# Altium PCB MU_MP_39_V1.PcbDoc (part 2 of 15)
Units mm, origin at the board's own origin, x right, y up, seen from the top; angles counter-clockwise.
Board outline 133 x 94 mm, 8 copper layers (Top Layer, GND_1, POWER_1, POWER_2, GND_2, Inner_Layer, GND_3, Bottom Layer), stack 1.468 mm thick; 934 components, 729 nets, 4006 pads, 2645 vias.
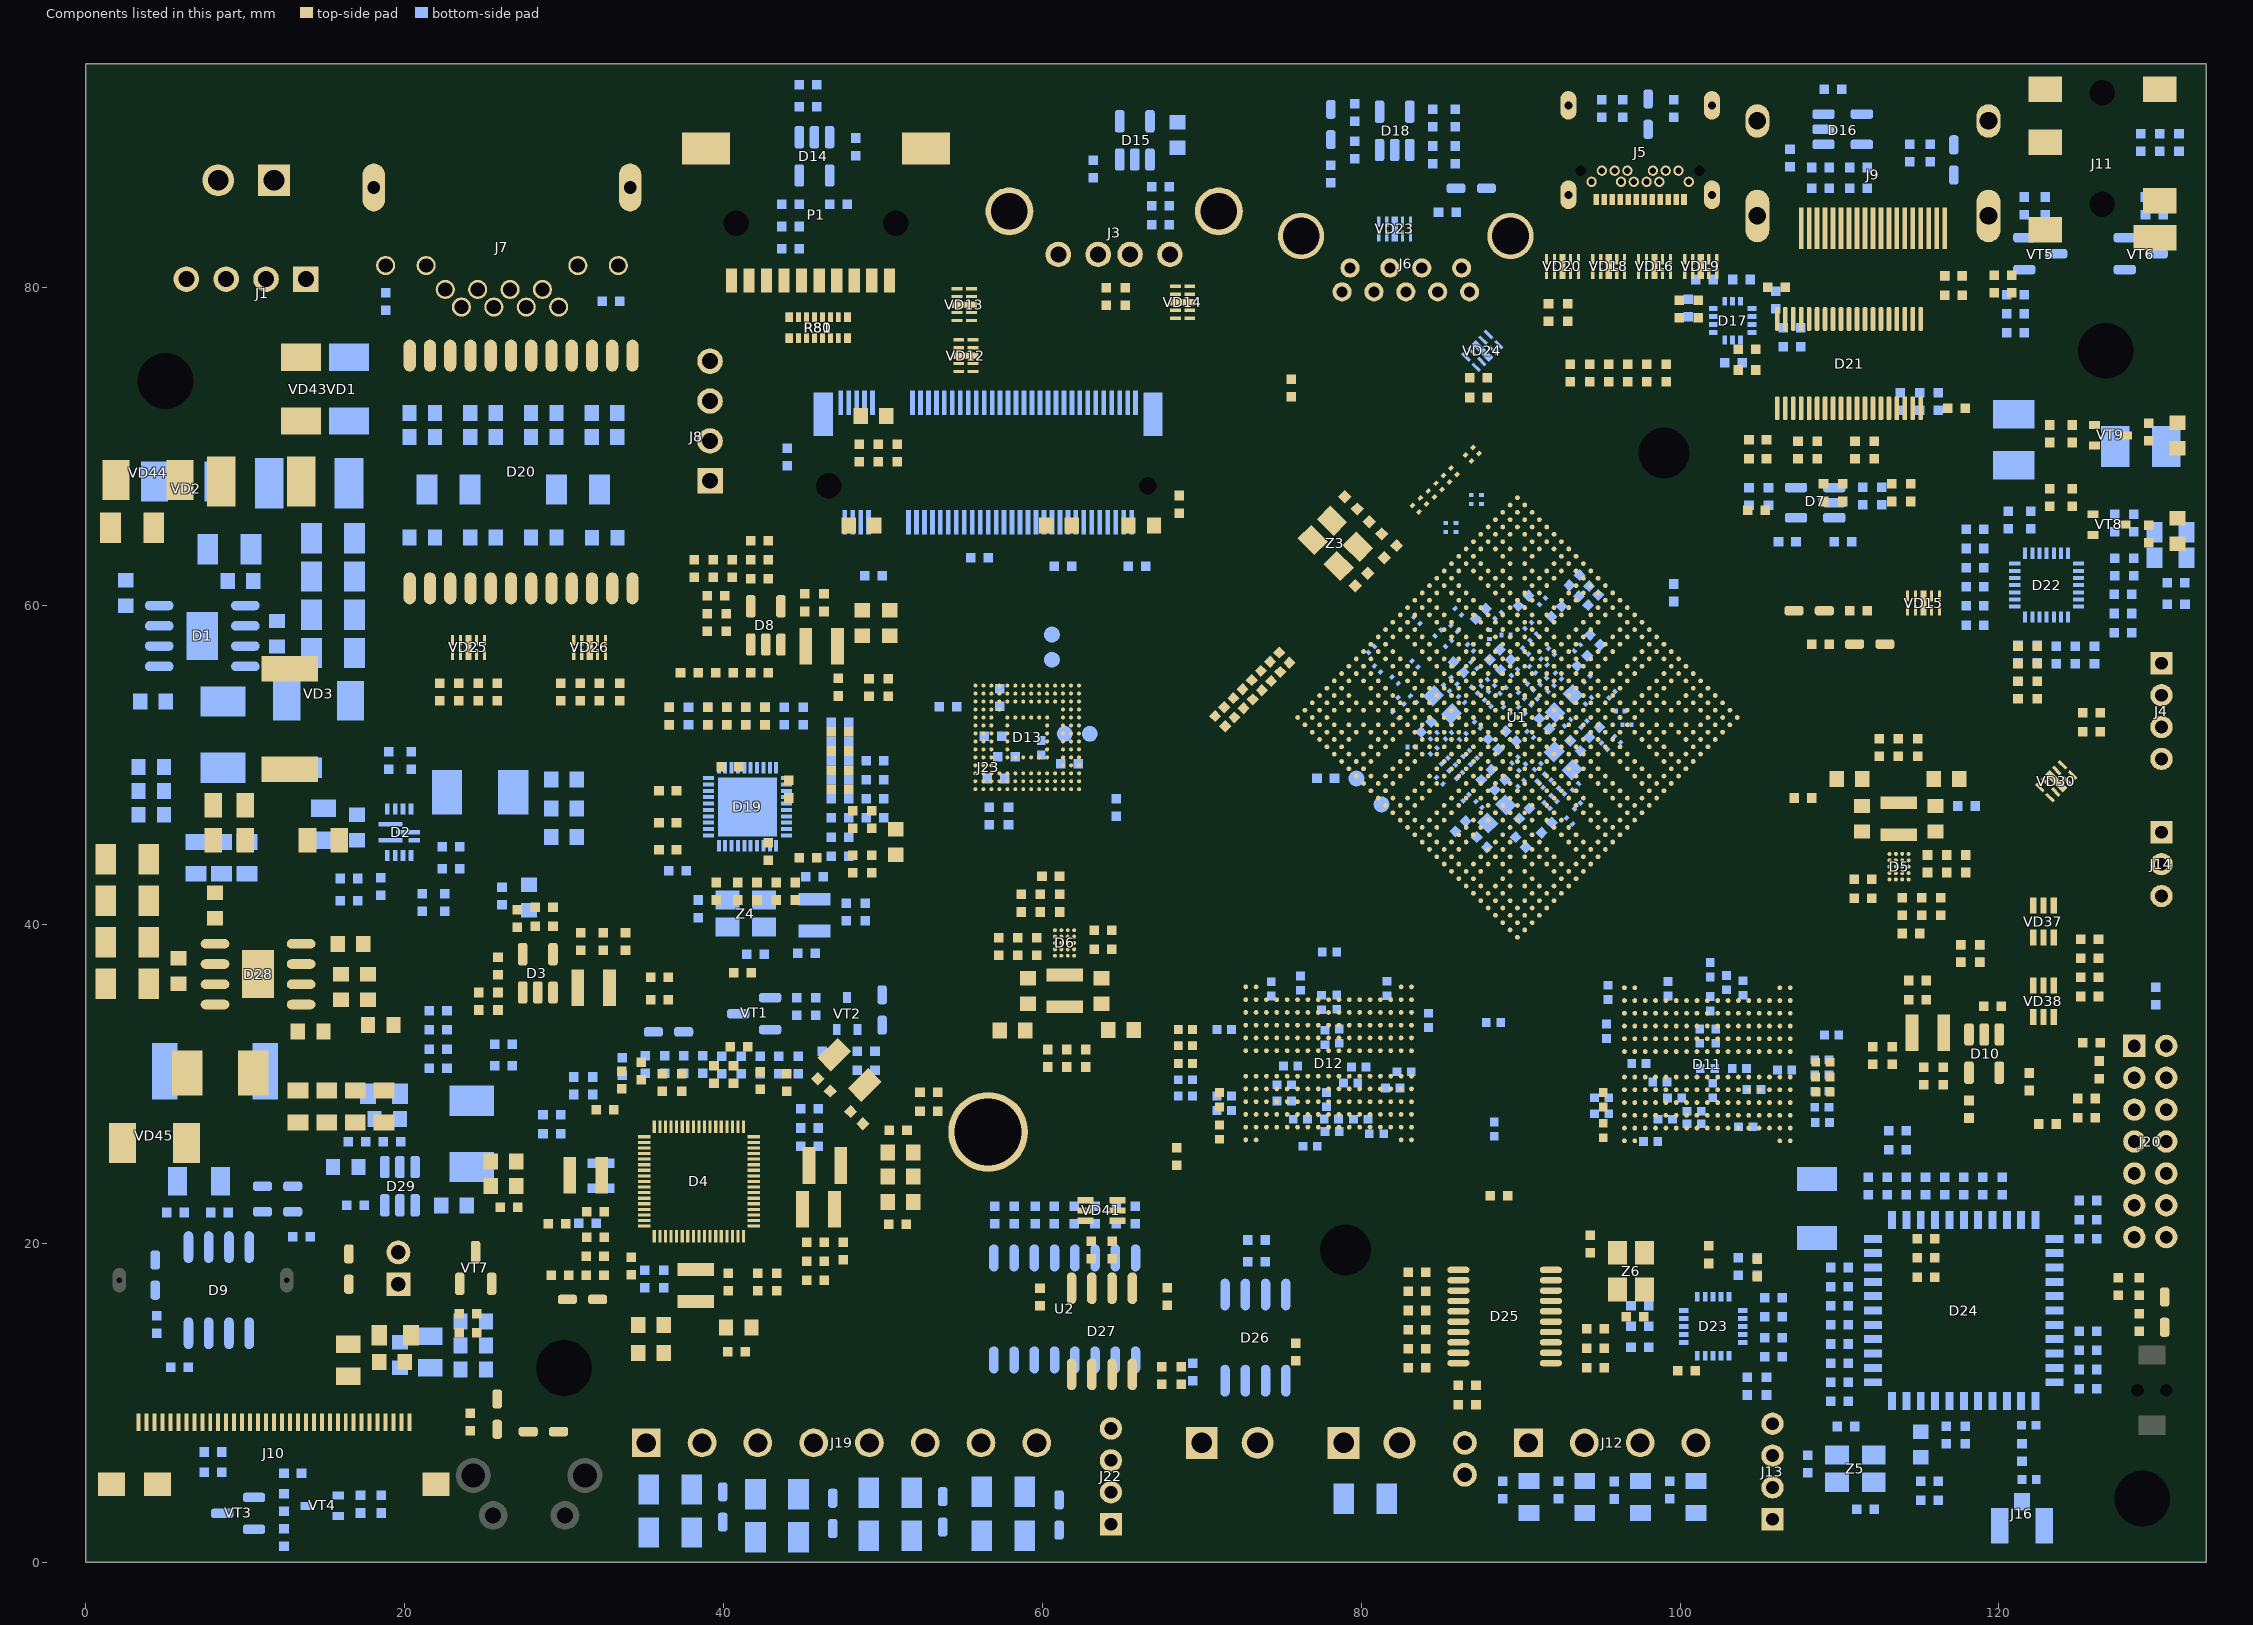
[diagram p8: the components of this part, seen from the top]

## Components (designator, comment, footprint, x,y, rotation, side; value= is the part's Value field where it differs from the comment) (continued)
C217 "0.1uF" CAP_SMD_0402_small 102.246,33.014 r90 bottom
C218 "0.1uF" CAP_SMD_0402_small 103.947,36.033 r90 bottom
C219 "0.1uF" CAP_SMD_0402_small 99.248,35.982 r270 bottom
C220 "1000pF" CAP_SMD_0402_small 95.489,35.757 r270 bottom
C221 "10uF" CAP_SMD_0402_small 109.51,33.086 r0 bottom
C222 "1uF" CAP_SMD_0402_small 95.083,28.137 r180 bottom
C223 "0.1uF" CAP_SMD_0402_small 95.083,29.153 r180 bottom
C224 "0.1uF" CAP_SMD_0402_small 88.35,27.175 r90 bottom
C225 "0.1uF" CAP_SMD_0402_small 106.564,30.88 r180 bottom
C226 "0.1uF" CAP_SMD_0402_small 95.388,33.319 r270 bottom
C227 "10uF" CAP_SMD_0402_small 84.225,34 r90 bottom
C228 "1uF" CAP_SMD_0402_small 71.41,28.34 r180 bottom
C229 "0.1uF" CAP_SMD_0402_small 71.41,29.255 r180 bottom
C230 "0.1uF" CAP_SMD_0402_small 82.688,30.779 r180 bottom
C231 "0.1uF" CAP_SMD_0402_small 71.41,33.42 r180 bottom
C232 "10uF" CAP_SMD_0402_small 75.576,31.134 r0 bottom
C233 "1uF" CAP_SMD_0402_small 74.35,35.975 r270 bottom
C234 "0.1uF" CAP_SMD_0402_small 76.185,36.338 r270 bottom
C235 "0.1uF" CAP_SMD_0402_small 81.625,36 r270 bottom
C236 "0.1uF" CAP_SMD_0402_small 77.725,32.925 r90 bottom
C237 "0.1uF" CAP_SMD_0402_small 78.624,33.014 r90 bottom
C238 "0.1uF" CAP_SMD_0402_small 78.471,35.147 r270 bottom
C239 "1000pF" CAP_SMD_0402_small 78.011,38.293 r0 bottom
C240 "10uF" CAP_SMD_0402_small 98.155,26.4 r180 bottom
C241 "1uF" CAP_SMD_0402_small 104.125,27.324 r0 bottom
C242 "0.1uF" CAP_SMD_0402_small 99.655,29.124 r180 bottom
C243 "0.1uF" CAP_SMD_0402_small 98.74,30.14 r0 bottom
C244 "0.1uF" CAP_SMD_0402_small 88.3,33.875 r180 bottom
C245 "0.1uF" CAP_SMD_0402_small 104.633,29.661 r180 bottom
C246 "0.1uF" CAP_SMD_0402_small 103.719,30.982 r180 bottom
C247 "1000pF" CAP_SMD_0402_small 101.89,37.179 r270 bottom
C248 "10uF" CAP_SMD_0402_small 76.795,26.105 r0 bottom
C249 "1uF" CAP_SMD_0402_small 79.335,30.067 r0 bottom
C250 "0.1uF" CAP_SMD_0402_small 81.976,29.763 r0 bottom
C251 "0.1uF" CAP_SMD_0402_small 80.96,26.889 r0 bottom
C252 "0.1uF" CAP_SMD_0402_small 76.185,27.803 r180 bottom
C253 "0.1uF" CAP_SMD_0402_small 75.169,28.95 r0 bottom
C254 "0.1uF" CAP_SMD_0402_small 75.169,29.966 r0 bottom
C255 "1000pF" CAP_SMD_0402_small 79.843,31.083 r0 bottom
C256 "DNP" CAP_SMD_0402_small 99.074,27.8 r0 bottom
C257 "DNP" CAP_SMD_0402_small 79.972,27.8 r180 bottom
C258 "0.1uF" CAP_SMD_0201 82.129,55.337 r135 bottom
C259 "0.1uF" CAP_SMD_0201 81.025,56.05 r315 bottom
C260 "2.2uF" CAP_SMD_0402 54.075,53.675 r180 bottom
C261 "4.7uF" CAP_SMD_0402 57.875,46.825 r90 bottom
C262 "0.1uF" CAP_SMD_0402 56.675,46.825 r270 bottom
C263 "4.7uF" CAP_SMD_0402 61.7,50.1 r180 bottom
C264 "0.1uF" CAP_SMD_0402 57.325,54.25 r90 bottom
C265 "0.1uF" CAP_SMD_0201 84.822,58.309 r45 bottom
C266 "0.1uF" CAP_SMD_0201 87.075,56.275 r315 bottom
C267 "4.7uF" CAP_SMD_0402 44.2,83.8 r0 bottom
C268 "0.1uF" CAP_SMD_0402 44.2,82.4 r180 bottom
C269 "0.1uF" CAP_SMD_0402 47.2,85.2 r0 bottom
C270 "4.7uF" CAP_SMD_0402 44.2,85.2 r0 bottom
C271 "4.7uF" CAP_SMD_0402 45.3,92.7 r180 bottom
C272 "0.1uF" CAP_SMD_0402 45.3,91.3 r0 bottom
C273 "22uF" CAP_SMD_0603 68.475,89.55 r90 bottom
C274 "10uF" CAP_SMD_0402 67.4,85.1 r0 bottom
C275 "10uF" CAP_SMD_0402 67.4,86.3 r0 bottom
C276 "0.1uF" CAP_SMD_0402 67.4,83.9 r0 bottom
C277 "0.1uF" CAP_SMD_0201 88.047,58.207 r270 bottom
C278 "0.1uF" CAP_SMD_0201 86.85,57.375 r315 bottom
C279 "0.1uF" CAP_SMD_0402 44,69.35 r90 bottom
C280 "10uF" CAP_SMD_0402 111.2,86.2 r180 bottom
C281 "0.1uF" CAP_SMD_0402 111.2,87.5 r180 bottom
C282 "10uF" CAP_SMD_0402 108.8,86.2 r0 bottom
C283 "10uF" CAP_SMD_0402 108.8,87.5 r0 bottom
C284 "0.1uF" CAP_SMD_0402 106.9,88.1 r90 bottom
C285 "220pF" CAP_SMD_0402 103.35,75.25 r0 bottom
C286 "220pF" CAP_SMD_0402 101.525,80.475 r180 bottom
C287 "1uF" CAP_SMD_0402 106,79.2 r90 bottom
C288 "1uF" CAP_SMD_0402 100.525,78.7 r90 bottom
C289 "1uF" CAP_SMD_0402 103.85,80.475 r0 bottom
C290 "0.1uF" CAP_SMD_0402 94.325,74.6 r90 top
C291 "0.1uF" CAP_SMD_0402 96.4,91.2 r270 bottom
C292 "0.1uF" CAP_SMD_0402 97.925,74.6 r90 top
C293 "0.1uF" CAP_SMD_0201 91.934,57.14 r315 bottom
C294 "0.1uF" CAP_SMD_0201 91.475,56.475 r315 bottom
C295 "0.1uF" CAP_SMD_0201 90.75,56 r315 bottom
C296 "0.1uF" CAP_SMD_0201 89.075,58.175 r180 bottom
C297 "0.1uF" CAP_SMD_0201 90.308,57.166 r135 bottom
C298 "0.1uF" CAP_SMD_0201 90.791,58.029 r45 bottom
C299 "0.1uF" CAP_SMD_0201 90.475,58.775 r45 bottom
C300 "0.1uF" CAP_SMD_0402 99.95,78.625 r90 top
C301 "0.1uF" CAP_SMD_0402 101.15,78.625 r90 top
C302 "0.1uF" CAP_SMD_0402 92.95,78.4 r90 top
C303 "0.1uF" CAP_SMD_0402 91.75,78.4 r90 top
C304 "10uF" CAP_SMD_0402 85.9,88.3 r90 bottom
C305 "10uF" CAP_SMD_0402 84.5,88.3 r90 bottom
C306 "0.1uF" CAP_SMD_0402 85.4,84.7 r180 bottom
C307 "10uF" CAP_SMD_0402 85.9,90.6 r270 bottom
C308 "0.1uF" CAP_SMD_0402 84.5,90.6 r270 bottom
C309 "0.1uF" CAP_SMD_0201 83.501,59.096 r135 bottom
C310 "0.1uF" CAP_SMD_0201 89.125,53.45 r315 bottom
C311 "0.1uF" CAP_SMD_0201 85.475,57.65 r225 bottom
C312 "0.1uF" CAP_SMD_0201 85.838,58.588 r135 bottom
C313 "0.1uF" CAP_SMD_0201 86.092,59.629 r135 bottom
C314 "12pF" CAP_SMD_0402 80.025,61.65 r225 top
C315 "12pF" CAP_SMD_0402 79.357,66.468 r135 top
C316 "1uF" CAP_SMD_0402_SMALL 90.181,60.315 r45 bottom
C317 "0.1uF" CAP_SMD_0201 82.5,54.05 r135 bottom
C318 "0.1uF" CAP_SMD_0201 83.272,54.143 r135 bottom
C319 "0.1uF" CAP_SMD_0201 96.675,52.55 r180 bottom
C320 "0.1uF" CAP_SMD_0201 96.252,53.406 r180 bottom
C321 "0.1uF" CAP_SMD_0201 85.355,54.854 r135 bottom
C322 "0.1uF" CAP_SMD_0201 83.374,56.353 r135 bottom
C323 "0.1uF" CAP_SMD_0201 96.075,51.625 r135 bottom
C324 "10uF" CAP_SMD_0402 49.3,46.6 r90 top
C325 "0.1uF" CAP_SMD_0402 47.3,45.5 r0 bottom
C326 "10uF" CAP_SMD_0402 49.3,43.8 r270 top
C327 "0.1uF" CAP_SMD_0402 36.5,44.7 r180 top
C328 "0.1uF" CAP_SMD_0402 47.3,44.3 r0 bottom
C329 "0.1uF" CAP_SMD_0402 40.4,49.9 r0 top
C330 "DNP" CAP_SMD_0402 45.7,43 r0 bottom
C331 "10uF" CAP_SMD_0402 48.9,40.8 r90 bottom
C332 "0.1uF" CAP_SMD_0402 45.2,38.2 r180 bottom
C333 "0.1uF" CAP_SMD_0402 39.55,42.1 r270 top
C334 "0.1uF" CAP_SMD_0402 36.5,46.4 r180 top
C335 "0.1uF" CAP_SMD_0402 36.5,48.4 r180 top
C336 "0.1uF" CAP_SMD_0402 44.1,48.5 r270 top
C337 "1uF" CAP_SMD_0402 48.1,43.8 r270 top
C338 "1uF" CAP_SMD_0402 48.1,46.6 r90 top
C339 "12pF" CAP_SMD_0402 42,38.15 r180 bottom
C340 "12pF" CAP_SMD_0402 38.4,41 r270 bottom
C341 "0.1uF" CAP_SMD_0402 36.6,53.1 r90 bottom
C342 "0.01uF" CAP_SMD_0603 21.1,70.6 r0 bottom
C343 "0.01uF" CAP_SMD_0603 24.9,70.6 r0 bottom
C344 "0.1uF" CAP_SMD_0201 82.175,53.15 r135 bottom
C345 "0.1uF" CAP_SMD_0402 29.225,28.075 r0 bottom
C346 "0.01uF" CAP_SMD_0603 28.725,70.6 r0 bottom
C347 "1000pF" CAP_SMD_1206 30.875,67.3 r0 bottom
C348 "0.01uF" CAP_SMD_0603 32.525,70.6 r0 bottom
C349 "1000pF" CAP_SMD_1206 22.75,67.3 r0 bottom
C350 "1uF" CAP_SMD_0402 123.05,27.5 r180 top
C351 "0.1uF" CAP_SMD_0201 92.375,55.6 r315 bottom
C352 "1uF" CAP_SMD_0402_SMALL 93.864,56.556 r225 bottom
C353 "0.1uF" CAP_SMD_0201 93.559,57.369 r45 bottom
C354 "1uF" CAP_SMD_0402 104.875,69.225 r180 top
C355 "0.1uF" CAP_SMD_0402 104.875,70.425 r180 top
C356 "1uF" CAP_SMD_0402 117.15,79.5 r0 top
C357 "0.1uF" CAP_SMD_0402 117.15,80.7 r0 top
C358 "0.1uF" CAP_SMD_0402 106.05,80 r180 top
C359 "1uF" CAP_SMD_0402 104.2,74.8 r180 top
C360 "0.1uF" CAP_SMD_0402 104.2,76.1 r180 top
C361 "0.1uF" CAP_SMD_0402 12.425,1.55 r270 bottom
C362 "0.1uF" CAP_SMD_0402_small 71.15,52.775 r315 top
C363 "0.1uF" CAP_SMD_0402_small 71.725,53.325 r315 top
C364 "0.1uF" CAP_SMD_0402_small 72.3,53.9 r315 top
C365 "0.1uF" CAP_SMD_0402_small 72.875,54.45 r315 top
C366 "10uF" CAP_SMD_0402 7.975,5.65 r180 bottom
C367 "0.1uF" CAP_SMD_0402 7.975,6.925 r180 bottom
C368 "0.1uF" CAP_SMD_0402_small 73.45,55.025 r315 top
C369 "0.1uF" CAP_SMD_0402_small 74.025,55.6 r315 top
C370 "0.1uF" CAP_SMD_0402_small 74.6,56.175 r315 top
C371 "0.1uF" CAP_SMD_0402_small 75.175,56.75 r315 top
C372 "0.1uF" CAP_SMD_0201 83.175,51.15 r180 bottom
C373 "0.1uF" CAP_SMD_0201 84.55,50.9 r225 bottom
C374 "0.1uF" CAP_SMD_0603 19.7,13 r270 bottom
C375 "1uF" CAP_SMD_0805#2 21.6,13.2 r270 bottom
C376 "47uF" TANTAL-B 120.925,70.425 r90 bottom
C377 "47uF" TANTAL-B 128.9,70 r0 bottom
C378 "2.2uF" CAP_SMD_0402 121.05,79.525 r0 bottom
C379 "0.1uF" CAP_SMD_0402 119.7,80.2 r270 top
C380 "0.1uF" CAP_SMD_0402 128.9,89.075 r90 bottom
C381 "0.1uF" CAP_SMD_0201 95.261,51.197 r135 bottom
C382 "0.1uF" CAP_SMD_0402 107.725,47.95 r0 top
C383 "0.22uF" CAP_SMD_0402 105.875,16.6 r0 bottom
C384 "0.22uF" CAP_SMD_0402 105.875,15.4 r0 bottom
C385 "0.1uF" CAP_SMD_0402 127.775,58.325 r0 bottom
C386 "0.22uF" CAP_SMD_0402 105.875,14.1 r0 bottom
C387 "0.1uF" CAP_SMD_0402 126,56.925 r270 bottom
C388 "0.22uF" CAP_SMD_0402 105.875,12.9 r0 bottom
C389 "0.1uF" CAP_SMD_0402 124.8,56.925 r270 bottom
C390 "0.1uF" CAP_SMD_0402 123.6,56.925 r270 bottom
C391 "4.7uF" CAP_SMD_0402 122,65.4 r270 bottom
C392 "560pF" CAP_SMD_0402 92.375,4.55 r270 bottom
C393 "560pF" CAP_SMD_0402 88.875,4.55 r270 bottom
C394 "560pF" CAP_SMD_0402 95.875,4.525 r270 bottom
C395 "560pF" CAP_SMD_0402 99.35,4.55 r270 bottom
C396 "4.7uF" CAP_SMD_0402 127.775,60.725 r0 bottom
C397 "4.7uF" CAP_SMD_0402 127.775,59.525 r0 bottom
C398 "4.7uF" CAP_SMD_0402 104.85,18.475 r90 top
C399 "0.1uF" CAP_SMD_0402 100.4,12.025 r180 top
C400 "0.1uF" CAP_SMD_0402 101.8,19.3 r90 top
C401 "0.1uF" CAP_SMD_0402 97.475,16.1 r180 bottom
C402 "0.1uF" CAP_SMD_0402 118.5,60 r180 bottom
C403 "4.7uF" CAP_SMD_0402 131.1,61.45 r0 bottom
C404 "0.1uF" CAP_SMD_0402 131.125,60.1 r180 bottom
C405 "4.7uF" CAP_SMD_0402 128.475,62.45 r90 bottom
C406 "0.1uF" CAP_SMD_0402 127.275,62.45 r270 bottom
C407 "4.7uF" CAP_SMD_0402 128.45,65.2 r270 bottom
C408 "0.1uF" CAP_SMD_0402 127.275,65.2 r90 bottom
C409 "1uF" CAP_SMD_0805#2 16.45,12.675 r90 top
C410 "0.1uF" CAP_SMD_0603 19.2,12.575 r180 top
C411 "1000pF" CAP_SMD_0402 128.8,17.3 r270 top
C412 "10pF" CAP_SMD_0402 121.45,6.9 r270 bottom
C413 "0.1uF" CAP_SMD_0402 113,23.6 r90 bottom
C414 "10uF" CAP_SMD_0402 111.8,23.6 r90 bottom
C415 "0.1uF" CAP_SMD_0402 115.425,20.3 r0 top
C416 "10uF" CAP_SMD_0402 115.425,19.1 r0 top
C417 "0.1uF" CAP_SMD_0402 115.65,5.1 r0 bottom
C418 "10uF" CAP_SMD_0402 115.65,3.9 r0 bottom
C419 "DNP" CAP_SMD_0402 113.65,25.875 r0 bottom
C420 "12pF" CAP_SMD_0402 111.625,3.325 r180 bottom
C421 "12pF" CAP_SMD_0402 108,6.175 r270 bottom
C422 "0.1uF" CAP_SMD_0402 73.425,18.85 r180 bottom
C423 "1uF" CAP_SMD_0402 73.425,20.225 r180 bottom
C424 "12pF" CAP_SMD_0402 94.375,19.975 r90 top
C425 "12pF" CAP_SMD_0402 97.175,15.4 r180 top
C426 "1uF" CAP_SMD_0402 86.65,9.9 r0 top
C427 "0.1uF" CAP_SMD_0402 86.65,11.1 r0 top
C428 "0.1uF" CAP_SMD_0402 67.5,11.725 r90 top
C429 "1uF" CAP_SMD_0402 68.7,11.725 r90 top
C430 "0.1uF" CAP_SMD_0201 84.4,67.025 r135 top
C431 "0.1uF" CAP_SMD_0201 84.875,67.5 r135 top
C432 "0.1uF" CAP_SMD_0201 85.825,68.45 r135 top
C433 "0.1uF" CAP_SMD_0201 85.35,67.975 r135 top
C434 "0.1uF" CAP_SMD_0201 87.2,69.75 r135 top
C435 "0.1uF" CAP_SMD_0201 86.725,69.275 r135 top
C436 "0.1uF" CAP_SMD_0201 85.95,64.925 r90 bottom
C437 "0.1uF" CAP_SMD_0201 85.3,64.925 r90 bottom
C438 "0.1uF" CAP_SMD_0201 87.55,66.675 r90 bottom
C439 "0.1uF" CAP_SMD_0201 86.9,66.675 r90 bottom
C440 "1uF" CAP_SMD_0402_small 87.5,59.5 r45 bottom
C441 "0.1uF" CAP_SMD_0201 88.6,59.4 r45 bottom
C442 "22uF" CAP_SMD_0603 48.65,65.05 r180 top
C443 "0.1uF" CAP_SMD_0402 49.4,61.9 r0 bottom
C444 "22uF" CAP_SMD_0603 66.2,65.05 r180 top
C445 "0.1uF" CAP_SMD_0402 65.925,62.5 r0 bottom
C446 "22uF" CAP_SMD_0603 61.05,65.05 r0 top
C447 "0.1uF" CAP_SMD_0402 61.3,62.5 r180 bottom
C448 "0.1uF" CAP_SMD_0603 14.1,33.3 r0 top
C449 "10uF" CAP_SMD_1206 2.9,64.9 r0 top
C450 "10uF" CAP_SMD_1206 2.6,44.1 r0 top
C451 "10uF" CAP_SMD_1206 2.6,41.5 r0 top
C452 "10uF" CAP_SMD_1206 2.6,38.9 r0 top
C453 "1uF" CAP_SMD_1206 2.6,36.3 r0 top
C454 "22uF" CAP_SMD_0805#1 16.9,28.6 r90 top
C455 "22uF" CAP_SMD_0805#1 18.7,28.6 r90 top
C456 "10uF" CAP_SMD_0805#1 15.1,28.6 r90 top
C457 "1uF" CAP_SMD_0805#1 13.3,28.6 r90 top
C458 "0.1uF" CAP_SMD_0603 18.5,33.7 r180 top
C459 "0.1uF" CAP_SMD_0603 5.8,37.1 r270 top
C460 "0.1uF" CAP_SMD_0603 23.1,22.4 r180 bottom
C461 "100pF" CAP_SMD_0402 22.1,33.4 r180 bottom
C462 "10uF" CAP_SMD_0805#1 18.7,29.4 r0 bottom
C463 "0.1uF" CAP_SMD_0603 18.9,27.8 r0 bottom
C464 "10uF" CAP_SMD_0402 22.1,31 r180 bottom
C465 "10uF" CAP_SMD_0402 26.2,32.5 r0 bottom
C466 "10uF" CAP_SMD_0402 26.2,31.15 r0 bottom
C467 "0.1uF" CAP_SMD_0402 22.1,32.2 r180 bottom
C468 "0.1uF" CAP_SMD_0603 16.3,24.8 r0 bottom
D1 "ST1S14PHR" SO8_PWR 7.3,58.115 r0 bottom
D2 "NB679GD" QFN-12_2mmx3mm 19.65,45.8 r0 bottom
D3 "SY8089A1AAC" SOT23-5 28.35,36.95 r90 top
D4 "RK808-D" QFN35P700X700X80-69N 38.457,23.895 r270 top
D5 "SYR838PKC" WLCSP-20 113.739,43.641 r180 top
D6 "SYR837PKC" WLCSP-20 61.391,38.854 r0 top
D7 "PT5108E23E-18" SOT23-5 108.475,66.475 r180 bottom
D8 "SY8088AAC" SOT23-5 42.65,58.775 r90 top
D9 "PCF8563T" SO8 6.435,19.775 r270 bottom
D10 "SY8088AAC" SOT23-5 119.076,31.917 r270 top
D11 "K4E6E304EB-EGCF" FBGA178_13R00X11R50X1R20 101.713,31.245 r90 top locked
D12 "K4E6E304EB-EGCF" FBGA178_13R00X11R50X1R20 77.955,31.301 r90 top locked
D13 "KLMAG2WEMB-B031" FBGA153 59.05,51.75 r0 top locked
D14 "PT5108E23E-30" SOT23-5 45.7,88.2 r270 bottom
D15 "SY6280AAAC" SOT23-5 65.8,89.2 r90 bottom
D16 "SY6282ACC" SOT23-5 110.2,89.9 r0 bottom
D17 "FUSB302BMPX" WQFN14 103.3,77.9 r270 bottom
D18 "SY6280AAAC" SOT23-5 82.1,89.8 r90 bottom
D19 "RTL8211F-CG" QFN40 41.5,47.4 r0 bottom
D20 "LP72431ANL" LP72431ANL 27.3,68.4 r90 top
D21 "TPD12S521DBTR" TSSOP-38 110.6,75.2 r90 top
D22 "ES8388" "QFN-28 4mmx4mm" 123,61.3 r0 bottom
D23 "PAM8404KGR" "QFN-20 4mmx4mm" 102.075,14.8 r90 bottom
D24 "AP6255" AP6255 117.8,15.8 r90 bottom
D25 "MCP2515IST" TSSOP-20 91.9,12.5 r180 top
D26 "SN65HVD235" SO8 71.46,16.8 r270 bottom
D27 "SN65HVD1781D" SO8 65.64,17.2 r270 top
D28 "ST1S14PHR" SO8_PWR 10.8,36.9 r180 top
D29 "SM8103" SOT23-6 19.7,23.6 r90 bottom
F1 "Value" FUSE_SMD_1812 14,67.7 r180 bottom value=1812L110/33MR
F2 "Value" FUSE_SMD_1812 11,67.8 r180 top value=1812L110/33MR
J1 "CWF-4" CWF-4 13.8,80.5 r0 top
J2 "15EDGRC-3.5-02P" 15EDGRC-3.5-02P 11.8,86.7 r180 top
J3 "DS1095-WNR0" DS1095-WNR0 64.5,83.4 r180 top
J4 "WB-4" WB-4 130.2,56.4 r270 top
J5 "USB3.1 TYPE-C 24PF-003" "USB3.1 TYPE-C 24PF-003" 97.5,86.6 r180 top
J6 "DS1095-05-LNR0" DS1095-05-LNR0 82.8,79.7 r180 top
J7 "LPJE4714BGNL" LPJE4714BGNL 26.1,82.5 r180 top
J8 "CWF-4" CWF-4 39.15,67.85 r270 top
J9 "DS1114-BN0XR" DS1114-BN0XR 112.1,83.7 r270 top
J10 "XF2M30151A" XF2M-30_3515-1A 3.3,8.8 r0 top
J11 "PJ-342B-TX-SMT" PJ-342B-TX-SMT 130.1,92.4 r270 top
J12 "15EDGRC-3.5-04P" 15EDGRC-3.5-04P 95.75,-0.5 r0 top
J13 "WB-4" WB-4 105.8,2.7 r90 top
J14 "WB-3" WB-3 130.2,45.8 r270 top
J15 "WB-2" WB-2 19.6,17.45 r90 top
J16 "U.FL-R-SMT-1" U.FL-R-SMT-1 121.45,2.3 r0 bottom
J17 "WB-2" 15EDGRC-3.5-02P 78.9,7.5 r0 top
J18 "Jumper" Jumper2 86.5,6.5 r270 top
J19 "15EDGRC-3.5-08P" 15EDGRC-3.5-08P 47.4,7.5 r0 top
J20 "DNP" "PLD2-14 (2.00)" 128.5,32.4 r0 top
J21 "WB-2" 15EDGRC-3.5-02P 70,7.5 r0 top
J22 "WB-04" WB-4 64.3,2.4 r90 top
J23 "KLS1-NGFF01-3.2-M-G1U" KLS1-NGFF01-3.2-M-G1U_42mm 56.6,69 r180 bottom locked
L1 "Value" IHLP2020 8.6,49.85 r90 bottom value=3.3uH
L2 "Value" IHLP2020 26.8,48.3 r180 bottom value=2.2uH
L3 "Value" HEI252012A 31.85,36.05 r180 top value=2.2uH
L4 "Value" HEI252012A 46.357,24.895 r180 top value=2.2uH
L5 "Value" HEI252012A 38.257,17.37 r270 top value=1uH
L6 "Value" HEI252012A 45.957,22.145 r180 top value=2.2uH
L7 "Value" HEI252012A 31.357,24.295 r180 top value=1uH
L8 "Value" HEI252012A 113.725,46.65 r270 top value=0.33uH
L9 "Value" HEI252012A 61.4,35.85 r90 top value=0.33uH
L10 "Value" HEI252012A 46.15,57.475 r180 top value=3.3uH
L11 "Value" HEI252012A 115.55,33.225 r0 top value=3.3uH
L12 "Value" IND_SMD_252012 45.7,40.6 r90 bottom value=2.2uH
L13 "Value" IND_SMD_0603 50.8,45.2 r270 top value=BLM18PG181SN1
L14 "Value" IND_SMD_0805 101,4.1 r270 bottom value=PBY201209T-121Y-N
L15 "Value" IND_SMD_0805 97.525,4.1 r270 bottom value=PBY201209T-121Y-N
L16 "Value" IND_SMD_0805 90.525,4.1 r270 bottom value=PBY201209T-121Y-N
L17 "Value" IND_SMD_0805 94.025,4.1 r270 bottom value=PBY201209T-121Y-N
L18 "Value" IND_SMD_0805 130.775,63.025 r0 bottom value=PBY201209T-121Y-N
L19 "Value" IND_SMD_0805 130.775,64.625 r0 bottom value=PBY201209T-121Y-N
L20 "Value" IND_SMD_0805 19.4,14.25 r180 top value=PBY201209T-121Y-N
L21 "Value" IND_SMD_0402 121.875,8.6 r0 bottom value=DNP
L22 "Value" IND_SMD_0402 121.9,5.2 r0 bottom value=DNP
L23 "Value" IND_SMD_0603 115.1,7.4 r90 bottom value=BLM18PG181SN1
L24 "Value" MWSA0402S 108.6,22.2 r270 bottom value=4.7uH
L25 "Value" IHLP2020 10.5,30.7 r180 top value=3.3uH
L26 "Value" IHLP2020 24.2,28.95 r270 bottom value=3.3uH
P1 "TF004" TF004 45.8,88.7 r0 top
R1 "DNP" RES_SMD_2512 12.8,52.9 r270 top
R2 "510K" RES_SMD_0603 9.7,61.55 r180 bottom
R3 "47K" RES_SMD_0603 4.1,48.4 r0 bottom
R4 "360K" RES_SMD_0603 4.1,49.9 r0 bottom
R5 "4K7" RES_SMD_0603 2.5,60.8 r270 bottom
R6 "3R3" RES_SMD_0402 22.9,43.5 r0 bottom
R7 "30K" RES_SMD_0402 16.5,42.9 r180 bottom
R8 "100K" RES_SMD_0402 22.5,41.4 r270 bottom
R9 "10K" RES_SMD_0402 18.5,42.4 r90 bottom
R10 "18K" RES_SMD_0402 25.85,37.4 r90 top
R11 "150K" RES_SMD_0402 31.05,38.95 r270 top
R12 "DNP" RES_SMD_0402 32.45,38.95 r270 top
R13 "30K" RES_SMD_0402 25.85,35.2 r90 top
R14 "33K" RES_SMD_0402 27.05,40.4 r270 top
R15 "100R" RES_SMD_0402 36.25,17.775 r90 bottom
R16 "10K" RES_SMD_0402 44.675,31.2 r270 bottom
R17 "100R" RES_SMD_0402 47.5,19.525 r270 top
R18 "100R" RES_SMD_0402 32.3,23.475 r0 bottom
R19 "51K" RES_SMD_0402 45.775,18.9 r180 top
R20 "200K" RES_SMD_0402 45.775,17.7 r180 top
R21 "0R1" RES_SMD_0402 37.5,31.225 r90 bottom
R22 "10K" RES_SMD_0402 45.4,27.25 r180 bottom
R23 "10K" RES_SMD_0402 45.4,26.1 r180 bottom
R24 "0R" RES_SMD_0402 50.957,27.095 r0 top
R25 "10K" RES_SMD_0402 29.225,26.875 r180 bottom
R26 "10K" RES_SMD_0402 43.35,17.6 r270 top
R27 "2M" RES_SMD_0402 31.95,19.2 r0 top
R28 "10K" RES_SMD_0402 29.75,18 r0 top
R29 "1K" RES_SMD_0402 40.975,32.35 r0 top
R30 "0R" RES_SMD_0402 24.1,8.8 r270 top
R31 "3K3" RES_SMD_0402 45.775,34.875 r90 bottom
R32 "10K" RES_SMD_0402 48.95,32.075 r0 bottom
R33 "47K" RES_SMD_0402 46.75,32.075 r0 bottom
R34 "10K" RES_SMD_0402 113.95,41.15 r270 top
R35 "100R" RES_SMD_0402 111.475,42.85 r180 top
R36 "10K" RES_SMD_0402 116.35,41.15 r90 top
R37 "10K" RES_SMD_0402 61.1,41.35 r90 top
R38 "100R" RES_SMD_0402 63.8,39.65 r0 top
R39 "10K" RES_SMD_0402 58.675,41.35 r270 top
R40 "10K" RES_SMD_0402 110.225,64.025 r0 bottom
R41 "100R" RES_SMD_0402 47.2,54.9 r90 top
R42 "10K" RES_SMD_0402 40.05,55.8 r180 top
R43 "100K" RES_SMD_0402 42.25,64.1 r0 top
R44 "18K" RES_SMD_0402 39.525,60.65 r0 top
R45 "118K" RES_SMD_0402 40.55,62.35 r90 top
R46 "12K" RES_SMD_0402 38.15,62.35 r270 top
R47 "200K" RES_SMD_0402 42.25,61.7 r180 top
R48 "3K9" RES_SMD_0402 40.175,58.95 r90 top
R49 "30K" RES_SMD_0402 38.975,58.95 r90 top
R50 "100R" RES_SMD_0402 4.45,14.925 r90 bottom
R51 "10K" RES_SMD_0402 13.525,20.425 r0 bottom
R52 "100K" RES_SMD_0402 114.9,35.3 r180 top
R53 "39K" RES_SMD_0402 118.125,28.425 r270 top
R54 "200K" RES_SMD_0402 121.9,30.15 r90 top
R55 "240R" RES_SMD_0201 93.575,47.45 r225 bottom
R56 "240R" RES_SMD_0201 84.923,49.038 r135 bottom
R57 "0R" RES_SMD_0402_SMALL 86.225,46.175 r45 bottom
R58 "0R" RES_SMD_0402_SMALL 91.628,46.091 r45 bottom
R59 "10K" RES_SMD_0402_SMALL 68.972,32.404 r180 bottom
R60 "10K" RES_SMD_0402_SMALL 108.9,30.575 r0 bottom
R61 "10K" RES_SMD_0402_SMALL 68.972,31.287 r0 bottom
R62 "10K" RES_SMD_0402_SMALL 108.9,29.55 r180 bottom
R63 "768R" RES_SMD_0402_SMALL 68.972,33.42 r180 top
R64 "768R" RES_SMD_0402_SMALL 108.962,31.373 r0 top
R65 "1K" RES_SMD_0402_SMALL 68.972,31.287 r0 top
R66 "1K" RES_SMD_0402_SMALL 108.95,30.45 r180 top
R67 "240R" RES_SMD_0402_SMALL 95.184,27.092 r90 top
R68 "240R" RES_SMD_0402_SMALL 71.105,26.99 r90 top
R69 "240R" RES_SMD_0402_SMALL 95.184,29.022 r270 top
R70 "240R" RES_SMD_0402_SMALL 71.105,29.022 r270 top
R71 "51R" RES_SMD_0402_SMALL 100.886,28.298 r0 bottom
R72 "51R" RES_SMD_0402_SMALL 78.13,27.814 r180 bottom
R73 "51R" RES_SMD_0402_SMALL 100.881,27.51 r0 bottom
R74 "51R" RES_SMD_0402_SMALL 78.175,27.025 r180 bottom
R75 "22R" RES_SMD_0402_SMALL 59.925,51.1 r90 bottom
R76 "10K" RES_SMD_0201 80.643,57.27 r45 bottom
R77 "DNP" RES_SMD_0402 57.1,49.175 r180 bottom
R78 "47K" RES_SMD_0402 56.9,51.825 r0 bottom
R79 "10K" RES_SMD_0402 57.75,50.55 r0 bottom
R80 "22R" YC248 47.75,78.1 r270 top
R81 "DNP" YC248 44.15,78.1 r270 bottom
R82 "10K" RES_SMD_0402 48.3,88.8 r270 bottom
R83 "4K7" RES_SMD_0402 63.2,87.4 r270 bottom
R84 "133R" RES_SMD_0201 83.425,66.1 r315 top
R85 "133R" RES_SMD_0201 83.9,66.575 r315 top
R86 "0R" RES_SMD_0402 65.2,79.4 r90 top
R87 "0R" RES_SMD_0402 64,79.4 r90 top
R88 "0R" RES_SMD_0402 125.8,53.3 r0 top
R89 "0R" RES_SMD_0402 125.8,52.1 r0 top
R90 "2K7" RES_SMD_0402 109.6,92.4 r0 bottom
R91 "10K" RES_SMD_0402 99.6,91.2 r270 bottom